# Altium PCB SI944D.PcbDoc (part 4 of 5)
Units mm, origin at the board's own origin, x right, y up, seen from the top; angles counter-clockwise.
Board outline 281.94 x 89 mm, 4 copper layers (Top, MidLayer1, MidLayer2, Bottom), stack 1.65 mm thick; 571 components, 351 nets, 1529 pads, 905 vias.
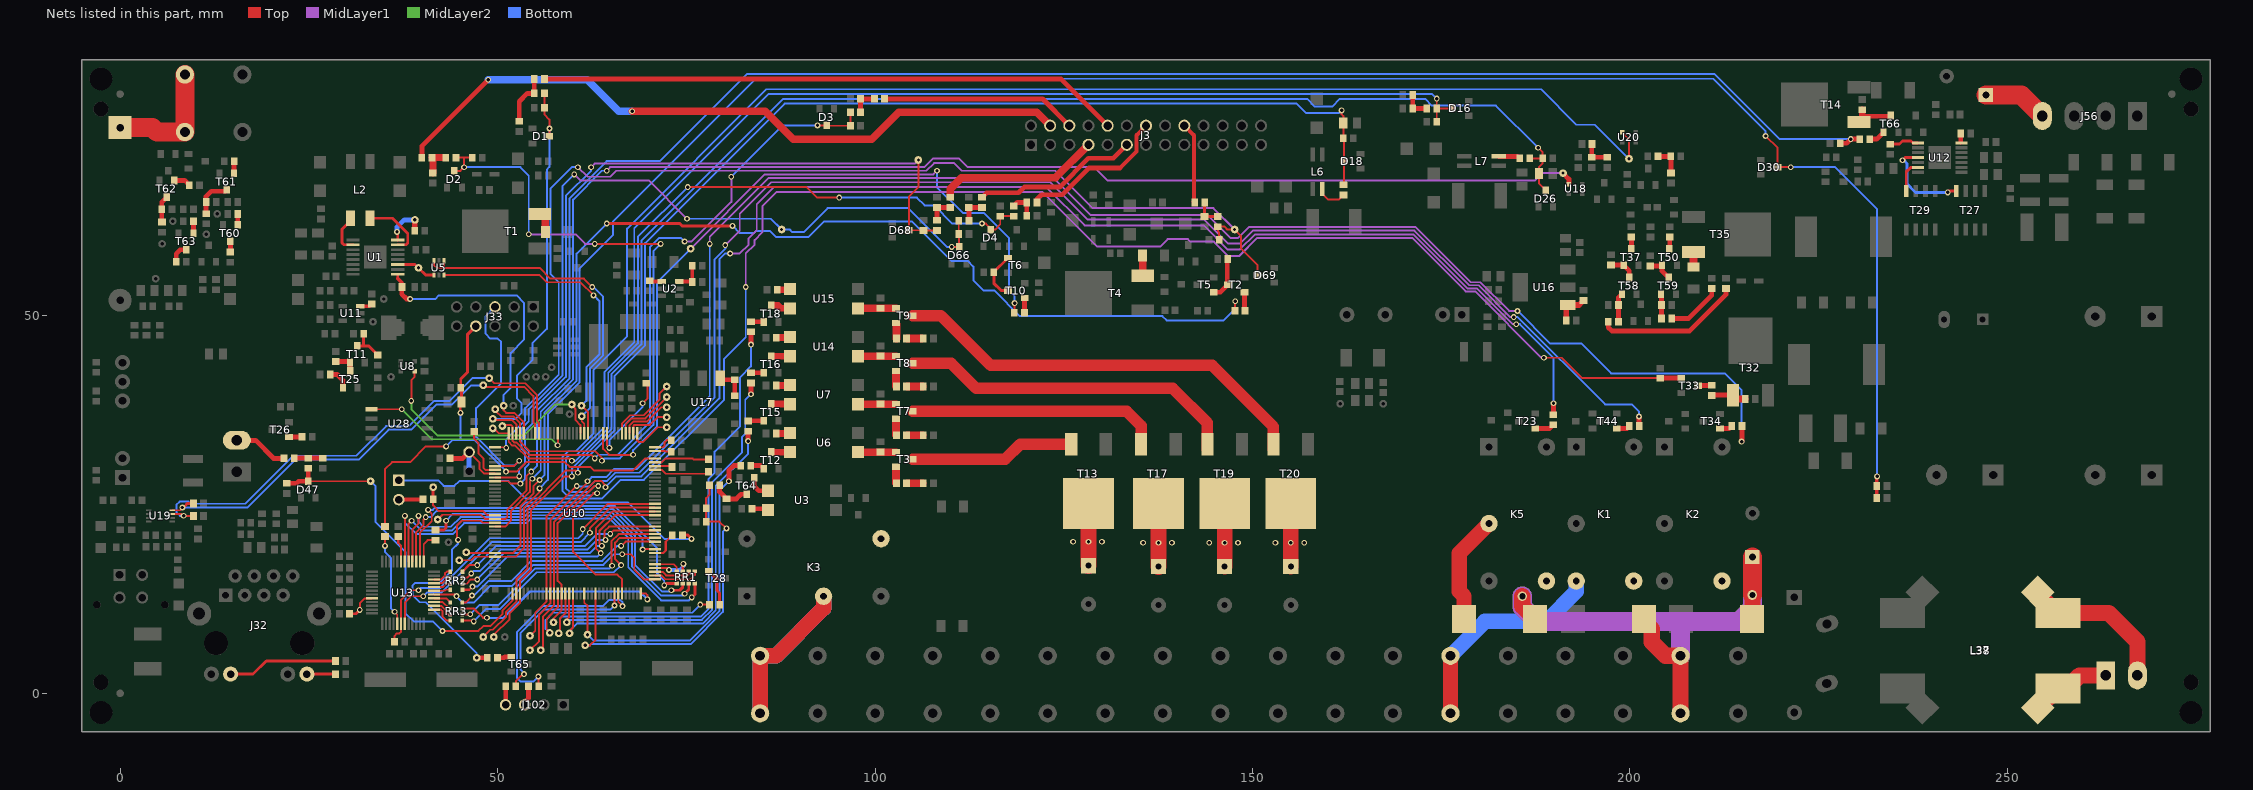
[diagram p6: the nets of this part, all layers, seen from the top]

## Via types
v1: diameter 0.77, hole 0.45, Top to Bottom, 900 vias
v2: diameter 1.27, hole 0.8, Top to Bottom, 4 vias
v3: diameter 1.016, hole 0.45, Top to Bottom, 1 vias

## Nets (pads, with @x,y where several pads share a name; then routed paths per layer and width w, separated by ;. In a path a pad name is that pad's centre, name@x,y a point inside that pad or via, vN(x,y) a via of type N, cw(c..) or ccw(c..) an arc to the next point about the centre after c; other vN are vias at no path point) (continued)
NetF4_1: F4.1 K5.11 | length 14.5
  Top w2.032: F4.1@178.021,9.842 178.021,12.859 177.386,13.494 177.386,18.557 K5.11@181.308,22.479
NetF5_1: F5.1 J56.4 | length 8.6
  Top w2.54: F5.1@247.142,79.248 251.842,79.248 J56.4@254.62,76.47
NetF6_1: F6.1 T13.A2 | length 8.2
  Top w2.159: F6.1@128.27,16.901 T13.A2@128.27,25.146
  other v1: 126.238,20.066 128.27,20.066 130.048,20.066
NetF7_1: F7.1 T17.A2 | length 8.4
  Top w2.159: F7.1@137.541,16.774 T17.A2@137.541,25.146
  other v1: 135.509,19.939 137.541,19.939 139.319,19.939
NetF8_1: F8.1 T19.A2 | length 8.4
  Top w2.032: F8.1@146.304,16.774 T19.A2@146.304,25.146
  other v1: 144.272,19.939 146.304,19.939 148.082,19.939
NetF9_1: F9.1 T20.A2 | length 8.4
  Top w2.032: F9.1@155.067,16.774 T20.A2@155.067,25.146
  other v1: 153.035,19.939 155.067,19.939 156.845,19.939
NetJ32_10: J32.10 R10.2 | length 14.6
  Top w0.381: J32.10@14.635,2.54 17.621,2.54 19.367,4.286 R10.2@28.539,4.286
NetJ32_12: J32.12 R16.2 | length 3.8
  Top w0.381: J32.12@24.745,2.54 R16.2@28.539,2.54
  Top w0.635: R16.2@28.539,2.504 R16.2@28.575,2.504
NetJ52_1: J52.1 L37.2 L38.2 | length 10.8
  Top w2.159: L37.2@254,-1.905 254.158,-1.905 L38.2@256.699,0.636 257.811,0.636 259.545,2.37 J52.1@263.02,2.37
NetJ52_2: J52.2 L37.3 L38.3 | length 20.4
  Top w2.032: L37.3@254,13.361 254,13.335 L38.3@256.699,10.636
  Top w2.159: L38.3@256.699,10.636 263.43,10.636 267.22,6.846 J52.2@267.22,2.37
NetJ54_2: J54.2 R113.1 U10.44 | length 10.5
  Top w0.254: J54.2@46.22,31.96 47.625,30.555 47.625,29.686 48.218,29.093 U10.44@49.632,29.093
  Top w0.635: R113.1@43.692,31.115 45.375,31.115 J54.2@46.22,31.96
  Bottom w0.635: 46.22,29.42 J54.2@46.22,31.96
NetJ58_1: J58.1 R125.1 T33.1 | length 213.3
  Top w0.254: v1(188.595,44.45) 190.976,44.45 193.675,41.751 203.99,41.751 203.994,41.747 R125.1@204.216,41.747
  Top w0.635: R125.1@204.216,41.747 206.794,41.747 T33.1@206.799,41.742
  MidLayer1 w0.254: v1(82.867,53.816) 82.867,58.261 84.042,59.436 84.042,60.039 85.09,61.087 85.09,64.516 86.995,66.421 122.174,66.421 129.413,59.182 137.795,59.182 138.765,60.152 141.429,60.152 141.748,59.833 144.891,59.833 146.812,57.912 148.209,57.912 150.622,60.325 171.132,60.325 178.218,53.24 179.488,53.24 188.277,44.45 v1(188.595,44.45)
  Bottom w0.254: J58.1@36.92,28.194 42.132,28.194 42.862,27.464 44.291,27.464 44.926,28.099 51.435,28.099 53.753,25.781 63.83,25.781 66.307,28.258 69.374,28.258 80.01,38.894 80.01,44.291 82.867,47.149 v1(82.867,53.816)
NetJ58_2: J58.2 R160.1 | length 3.2
  Top w0.559: J58.2@36.92,25.654 40.065,25.654 R160.1@40.128,25.717
NetJ102_3: J102.3 R109.2 | length 2.7
  Top w0.635: J102.3@53.594,-1.524 53.594,-1.139 54.098,-0.635 R109.2@54.098,0.953
NetJ102_4: J102.4 R110.2 | length 2.5
  Top w0.635: J102.4@51.054,-1.524 51.082,-1.496 R110.2@51.082,0.953
NetJT1_1: JT1.1 U10.2 | length 5.7
  Top w0.254: U10.2@68.482,34.443 68.482,33.499 68.682,33.299 69.291,33.299 71.234,35.242 JT1.1@72.39,35.242
NetJT2_1: JT2.1 U10.3 | length 5.9
  Top w0.254: U10.3@67.982,34.443 67.982,35.407 68.135,35.56 70.168,35.56 71.183,36.576 JT2.1@72.39,36.576
NetJT3_1: JT3.1 U10.4 | length 6.9
  Top w0.254: U10.4@67.482,34.443 67.482,35.478 68.026,36.022 69.836,36.022 71.711,37.897 JT3.1@72.39,37.897
NetJT4_1: JT4.1 U10.5 | length 8.1
  Top w0.254: U10.5@66.982,34.443 66.982,35.613 67.795,36.426 69.573,36.426 JT4.1@72.39,39.243
NetJT5_1: JT5.1 U10.6 | length 9.7
  Top w0.254: U10.6@66.482,34.443 66.482,35.748 67.564,36.83 69.374,36.83 71.438,38.894 71.438,39.688 JT5.1@72.39,40.64
NetJT43_1: JT43.1 U1.3 U5.4 | length 5.4
  Top w0.381: U1.3@36.784,56.81 39.075,56.81 JT43.1@39.529,56.356 40.479,55.406 U5.4@41.577,55.406
NetJT44_1: JT44.1 R22.2 U1.8 | length 6
  Top w0.381: v1(36.671,61.119) 36.784,61.006 U1.8@36.784,60.06
  Top w0.762: R22.2@39.017,61.277 39.017,62.671 JT44.1@39.052,62.706
  Bottom w0.635: v1(36.671,61.119) 36.671,61.754 37.624,62.706 JT44.1@39.052,62.706
NetL2_1: L2.1 U1.10 | length 5.3
  Top w0.381: L2.1@30.543,62.925 30.543,62.611 29.369,61.436 29.369,59.69 29.649,59.41 U1.10@30.844,59.41
NetL2_2: L2.2 U1.7 | length 8.5
  Top w0.381: L2.2@33.084,62.925 36.072,62.925 38.1,60.896 38.1,59.639 37.871,59.41 U1.7@36.784,59.41
NetL4_2: L4.2 R2.2 R4.1 | length 3.9
  Top w0.889: L4.2@41.311,70.961 L4.2@41.434,70.961 ; R2.2@41.434,68.933 L4.2@41.434,70.961 ; R4.1@43.144,70.961 L4.2@41.434,70.961
NetL5_2: L5.2 R1.2 R3.1 | length 7
  Top w0.635: R1.2@52.864,75.759 52.864,78.391 53.943,79.47 R3.1@54.86,79.47 L5.2@54.86,81.375
NetL6_2: L6.2 R25.2 | length 4
  Top w0.254: L6.2@159.258,66.802 159.258,66.167 160.02,65.405 161.453,65.405 R25.2@162.052,66.004
NetL7_2: L7.2 R29.2 | length 2.9
  Top w0.635: L7.2@182.626,71.12 185.13,71.12 R29.2@185.384,70.866
NetL9_2: L9.2 R7.2 R8.1 | length 3.6
  Top w0.635: R8.1@98.08,76.962 R7.2@98.08,78.74 L9.2@99.913,78.74
NetL23_2: L23.2 R14.2 R15.1 | length 3.7
  Top w0.635: R15.1@118.364,64.552 118.836,65.024 L23.2@120.106,65.024 R14.2@120.106,63.246
NetL26_2: L26.2 R54.2 R55.1 | length 3.6
  Top w0.635: R54.2@171.232,79.248 L26.2@171.232,77.47 R55.1@173.065,77.47
NetL33_2: L33.2 R177.2 R178.1 | length 3.9
  Top w0.635: R178.1@203.712,71.12 L33.2@205.387,71.12 205.422,71.084 R177.2@205.422,68.933
NetL42_2: L42.2 R170.2 R171.1 | length 3.8
  Top w0.635: L42.2@23.054,31.115 23.09,31.151 R171.1@24.924,31.151 R170.2@26.829,31.151
NetL43_2: L43.2 R172.2 R173.1 | length 3.5
  Top w0.635: R173.1@112.431,62.611 112.431,64.318 R172.2@112.395,64.353 L43.2@114.173,64.353
NetL44_2: L44.2 R174.2 R180.1 | length 3.5
  Top w0.635: R180.1@108.204,62.647 R174.2@108.204,64.353 L44.2@109.982,64.353
NetL45_2: L45.2 R181.2 R182.1 | length 3.7
  Top w0.381: L45.2@143.673,65.024 143.637,64.988 R181.2@143.637,63.155 R182.1@145.415,63.155
NetL46_2: L46.2 R183.2 R187.1 | length 3.9
  Top w0.635: L46.2@194.981,72.771 194.945,72.735 R187.1@194.945,70.997 R183.2@197.009,70.997 R183.2@196.973,70.961
NetR5_1: R5.1 U3.4 | length 2.2
  Top w0.635: R5.1@83.697,24.447 85.67,24.447 U3.4@85.829,24.289
NetR9_2: R9.2 T1.3 | length 3.2
  Top w1.016: T1.3@55.562,63.496 56.335,63.496 R9.2@56.335,61.119
NetR11_1: R11.1 T2.3 T5.1 | length 5.7
  Top w0.635: T5.1@144.864,53.127 145.753,53.127 T2.3@146.728,54.102 146.649,54.181 R11.1@146.649,57.531
NetR12_1: R12.1 T6.1 T10.3 | length 6.4
  Top w0.381: T10.3@117.602,53.329 T10.3@117.613,53.34 116.713,53.34 115.733,54.32 R12.1@115.733,55.753 115.733,55.787 117.604,57.658 T6.1@117.613,57.649
NetR21_2: R21.2 T10.1 | length 2.1
  Top w0.635: R21.2@119.797,50.419 119.797,52.348 T10.1@119.813,52.365 T10.1@119.888,52.29
NetR23_2: R23.2 T44.1 | length 1.8
  Top w0.635: T44.1@198.236,35.093 199.586,35.093 R23.2@199.894,35.401
NetR27_1: R27.1 R101.1 T64.3 | length 5.1
  Top w0.635: R101.1@79.411,27.559 79.411,26.67 R27.1@80.328,25.753 81.633,25.753 82.244,26.364 T64.3@83.026,26.364
NetR31_2: R31.2 U13.29 | length 12.2
  Top w0.254: v1(35.084,19.526) R31.2@35.084,20.761 ; v1(36.354,10.795) 36.715,10.434 U13.29@36.715,9.214
  Bottom w0.254: v1(35.084,19.526) 35.084,18.732 35.877,17.939 35.877,11.271 v1(36.354,10.795)
NetR32_2: R32.2 T12.1 | length 1.9
  Top w0.635: R32.2@83.538,30.162 84.857,30.162 T12.1@85.258,29.761
NetR35_1: R35.1 T3.1 U6.3 | length 5
  Top w1.016: U6.3@97.754,31.942 T3.1@102.786,31.942
NetR36_2: R36.2 T15.1 | length 1.7
  Top w0.635: R36.2@83.566,36.104 83.573,36.111 T15.1@85.258,36.111
NetR37_2: R37.2 T4.3 | length 2.7
  Top w1.016: R37.2@135.456,57.968 135.456,55.329 T4.3@135.47,55.315
NetR38_1: R38.1 R41.2 | length 2
  Top w1.016: R38.1@104.267,27.813 R41.2@106.299,27.813
NetR38_2: R38.2 T3.2 | length 2
  Top w1.016: R38.2@102.786,27.861 T3.2@102.786,29.845
NetR39_2: R39.2 T28.1 | length 5.1
  Top w0.381: T28.1@77.957,16.215 79.057,15.115 79.057,13.652 79.411,13.299 R39.2@79.411,11.747
NetR40_2: R40.2 T60.1 | length 1.4
  Top w0.635: T60.1@15.58,62.06 15.58,63.487 R40.2@15.593,63.5
NetR42_2: R42.2 T26.1 | length 1.7
  Top w0.635: T26.1@22.373,33.95 24.072,33.95 R42.2@24.094,33.972
NetR44_1: R44.1 T11.1 T25.3 | length 3.1
  Top w0.635: R44.1@28.575,43.938 30.346,43.938 T11.1@30.458,43.826 30.458,42.715 T25.3@30.48,42.693
NetR46_1: R46.1 R76.1 T11.3 | length 4.8
  Top w0.381: T11.3@31.432,46.026 32.232,46.026 ; R46.1@32.262,47.625 32.262,46.056 32.232,46.026 ; R76.1@34.131,44.803 32.908,46.026 32.232,46.026
NetR47_1: R47.1 U10.116 | length 4
  Top w0.305: U10.116@70.832,18.593 71.933,18.593 72.263,18.923 72.263,20.07 R47.1@73.148,20.955
NetR49_2: R49.2 T63.1 | length 1.4
  Top w0.635: T63.1@9.706,61.108 9.719,61.121 R49.2@9.719,62.547
NetR50_2: R50.2 U11.3 | length 1.7
  Top w0.508: U11.3@31.789,51.274 33.053,51.274 R50.2@33.337,51.558
NetR51_2: R51.2 T16.1 | length 1.7
  Top w0.635: R51.2@83.566,42.454 83.573,42.461 T16.1@85.258,42.461
NetR52_1: R52.1 T7.1 U7.3 | length 5
  Top w1.016: U7.3@97.754,38.292 T7.1@102.786,38.292
NetR57_2: R57.2 T18.1 | length 1.7
  Top w0.635: R57.2@83.566,49.22 85.23,49.22 T18.1@85.258,49.192
NetR58_1: R58.1 R60.2 | length 2
  Top w1.016: R58.1@104.267,34.163 R60.2@106.299,34.163
NetR58_2: R58.2 T7.2 | length 2
  Top w1.016: R58.2@102.786,34.211 T7.2@102.786,36.195
NetR59_2: R59.2 T23.1 | length 2.6
  Top w0.635: T23.1@187.464,35.093 189.382,35.093 R59.2@189.849,35.56
NetR62_1: R62.1 R191.1 T61.3 | length 5.4
  Top w0.635: R62.1@11.394,63.5 R191.1@11.394,65.087 11.394,65.846 12.065,66.516 13.959,66.516 T61.3@14.129,66.686
NetR63_1: R63.1 T14.1 T66.3 | length 5.6
  Top w0.635: T14.1@230.775,76.447 234.478,76.447 T66.3@234.569,76.538
  Top w0.889: T14.1@230.334,75.678 230.775,76.119 230.775,76.447 R63.1@230.775,77.307
NetR64_2: R64.2 T66.1 | length 2.2
  Top w0.635: R64.2@231.775,73.406 232.662,73.406 T66.1@233.594,74.338
NetR66_1: R66.1 R88.2 U16.1 | length 4.5
  Top w0.762: R88.2@191.543,49.371 191.543,51.208 191.726,51.391 U16.1@191.77,51.391 ; U16.1@191.77,51.435 193.234,51.435 R66.1@193.834,52.034
NetR68_2: R68.2 U12.7 | length 1.1
  Top w0.635: U12.7@243.804,73.036 R68.2@243.804,74.144
NetR69_1: R69.1 U12.8 | length 4
  Top w0.381: R69.1@234.474,72.743 235.684,72.743 236.093,73.152 237.236,73.152 237.469,72.919 U12.8@238.171,72.919
NetR71_1: R71.1 U13.7 | length 3.5
  Top w0.305: R71.1@36.83,20.792 R71.1@36.83,20.761 36.83,19.939 37.215,19.554 U13.7@37.215,17.456
NetR75_2: R75.2 U13.1 | length 4.1
  Top w0.254: U13.1@40.215,17.456 40.215,19.768 40.731,20.284 R75.2@41.783,20.284
NetR80_2: R80.2 T25.1 | length 3
  Top w0.635: R80.2@27.817,42.227 28.734,42.227 29.505,41.456 T25.1@29.505,40.492
NetR82_1: R82.1 U10.144 | length 2.8
  Top w0.254: U10.144@70.832,32.593 71.963,32.593 72.136,32.766 72.136,33.274 72.39,33.528 R82.1@72.989,33.528
NetR83_1: R83.1 U10.143 | length 2.2
  Top w0.254: U10.143@70.832,32.093 72.174,32.093 72.263,32.004 R83.1@72.989,32.004
NetR85_2: R85.2 U13.20 | length 4.3
  Top w0.254: v1(31.75,11.049) 31.75,11.938 32.397,12.585 U13.20@33.344,12.585
  Top w0.381: R85.2@30.389,10.541 31.242,10.541 v1(31.75,11.049)
NetR86_1: R86.1 T8.1 U14.3 | length 5
  Top w1.016: U14.3@97.754,44.642 T8.1@102.786,44.642
NetR87_2: R87.2 U6.1 | length 1.9
  Top w0.635: U6.1@88.688,34.417 U6.1@88.754,34.482
  Top w0.889: R87.2@86.904,34.417 U6.1@88.688,34.417
NetR89_1: R89.1 R90.2 | length 2
  Top w1.016: R89.1@104.267,40.64 R90.2@106.299,40.64
NetR89_2: R89.2 T8.2 | length 1.9
  Top w1.016: R89.2@102.786,40.688 T8.2@102.786,42.545
NetR92_1: R92.1 T9.1 U15.3 | length 5
  Top w1.016: U15.3@97.754,50.992 T9.1@102.765,50.992
NetR93_1: R93.1 R94.2 | length 1.9
  Top w1.016: R93.1@104.267,46.99 R94.2@106.172,46.99
NetR93_2: R93.2 T9.2 | length 1.9
  Top w1.016: R93.2@102.834,46.99 T9.2@102.834,48.895
NetR96_1: R96.1 U10.138 | length 7.4
  Top w0.254: U10.138@70.832,29.593 71.753,29.593 72.263,29.083 77.688,29.083 R96.1@77.942,29.337
NetR97_1: R97.1 R100.2 U17.1 | length 4.1
  Top w0.635: U17.1@79.478,41.718 79.662,41.535 R100.2@81.407,41.535 R97.1@81.407,39.406
NetR98_1: R98.1 U10.139 | length 2.3
  Top w0.254: U10.139@70.832,30.093 72.995,30.093 R98.1@73.116,29.972
NetR99_1: R99.1 U10.140 | length 7.4
  Top w0.254: U10.140@70.832,30.593 71.741,30.593 72.263,31.115 75.819,31.115 75.946,30.988 R99.1@77.942,30.988
NetR107_1: R107.1 U10.10 | length 12.8
  Top w0.254: U10.10@64.482,34.443 64.482,32.832 v1(64.809,32.505) ; v1(69.215,38.417) 69.86,39.063 69.86,40.912 R107.1@69.691,41.081
  Bottom w0.254: v1(64.809,32.505) 64.809,33.535 69.215,37.941 v1(69.215,38.417)
NetR112_2: R112.2 U10.43 | length 6.9
  Top w0.254: R112.2@46.899,34.671 46.899,33.721 47.498,33.122 47.498,31.75 48.133,31.115 48.133,29.845 48.385,29.593 U10.43@49.632,29.593
NetR115_1: R115.1 R161.2 T32.1 | length 4.7
  Top w0.635: R161.2@210.82,39.461 210.856,39.497 T32.1@213.657,39.497
  Top w0.889: T32.1@213.657,39.497 214.165,38.989 R115.1@215.265,38.989
NetR116_1: R116.1 T37.3 | length 1.6
  Top w0.635: T37.3@200.152,58.885 200.184,58.917 R116.1@200.184,60.448
NetR121_2: R121.2 U7.1 | length 1.9
  Top w0.889: R121.2@86.904,40.767 88.688,40.767 U7.1@88.754,40.832
NetR129_1: R129.1 U2.4 | length 1.6
  Top w0.508: R129.1@70.175,54.646 70.277,54.544 U2.4@71.748,54.544
NetR137_2: R137.2 U14.1 | length 1.9
  Top w0.889: R137.2@86.904,47.117 88.688,47.117 U14.1@88.754,47.182
NetR141_2: R141.2 T65.1 | length 1.9
  Top w0.635: R141.2@49.982,4.699 50.832,4.699 50.959,4.826 T65.1@51.816,4.826
NetR145_1: R145.1 R168.2 U2.3 | length 3.8
  Top w0.508: U2.3@74.048,54.544 75.717,54.544 75.783,54.61 R168.2@75.783,56.642
NetR153_2: R153.2 U15.1 | length 1.8
  Top w0.889: R153.2@87.031,53.467 88.688,53.467 U15.1@88.754,53.532
NetR161_1: R161.1 T33.3 | length 1.8
  Top w0.635: T33.3@208.999,40.767 210.784,40.767 R161.1@210.82,40.803
NetR176_2: R176.2 T34.1 | length 1.7
  Top w0.635: T34.1@211.92,35.061 213.143,35.061 R176.2@213.483,35.401
NetR179_2: R179.2 T2.1 | length 2.5
  Top w0.635: T2.1@148.928,53.127 148.928,50.752 R179.2@149.007,50.673
NetR184_1: R184.1 T37.1 T58.3 | length 3.6
  Top w0.635: R184.1@197.485,56.733 199.129,56.733 T37.1@199.177,56.685 199.898,55.964 T58.3@199.898,55.075
NetR185_1: R185.1 T50.1 T59.3 | length 3.6
  Top w0.635: R185.1@202.692,56.606 204.178,56.606 T50.1@204.257,56.685 204.257,55.923 T59.3@205.105,55.075
NetR186_1: R186.1 T35.3 | length 2
  Top w1.016: R186.1@208.407,56.441 T35.3@208.407,58.476
NetR189_1: R189.1 T50.3 | length 1.6
  Top w0.635: T50.3@205.232,58.885 205.264,58.917 R189.1@205.264,60.448
NetR190_1: R190.1 R204.2 | length 19.3
  Top w0.635: R204.2@197.132,49.212 197.132,48.454 197.58,48.006 207.899,48.006 212.725,52.832 R190.1@212.725,53.622
NetR193_2: R193.2 T61.1 | length 1.6
  Top w0.635: T61.1@15.104,68.886 15.104,70.472 R193.2@15.117,70.485
NetR194_2: R194.2 T60.3 | length 1.4
  Top w0.635: R194.2@14.605,58.456 T60.3@14.605,59.86
NetR197_1: R197.1 T63.3 | length 2.6
  Top w0.635: R197.1@7.426,57.15 7.426,58.226 7.949,58.749 T63.3@8.731,58.749
NetR198_2: R198.2 T62.1 | length 2.3
  Top w0.635: T62.1@7.166,67.934 8.548,67.934 R198.2@9.172,67.31
NetR199_2: R199.2 R201.2 T62.3 | length 3.5
  Top w0.635: R201.2@5.521,62.547 R199.2@5.521,64.135 5.521,65.063 T62.3@6.191,65.734
NetR202_1: R202.1 R205.2 | length 7.5
  Top w0.635: R205.2@205.522,49.657 207.772,49.657 210.82,52.705 R202.1@210.82,53.622
NetR204_1: R204.1 R208.2 T58.1 | length 3.8
  Top w0.635: R204.1@198.473,49.212 R208.2@198.473,51.435 198.473,52.425 T58.1@198.923,52.875
NetR205_1: R205.1 R207.2 T59.1 | length 3.2
  Top w0.635: T59.1@204.13,52.875 204.18,52.825 R207.2@204.18,51.435 R205.1@204.18,49.657
NetRR1_2: RR1.2 U10.113 | length 3.6
  Top w0.254: U10.113@70.832,17.093 73.331,17.093 73.73,16.694 RR1.2@73.73,16.167
NetRR1_4: RR1.4 U10.112 | length 5.4
  Top w0.254: U10.112@70.832,16.593 72.466,16.593 v1(72.707,16.351)
  Top w0.381: RR1.4@74.53,16.167 74.53,17.063 v1(74.612,17.145)
  Bottom w0.508: v1(72.707,16.351) 74.136,16.351 74.612,16.828 v1(74.612,17.145)
NetRR1_6: RR1.6 U10.111 | length 5.2
  Top w0.254: U10.111@70.832,16.093 71.855,16.093 72.326,15.621 75.184,15.621 75.33,15.767 RR1.6@75.33,16.167
NetRR1_8: RR1.8 U10.110 | length 6.2
  Top w0.254: U10.110@70.832,15.593 71.72,15.593 72.2,15.113 75.565,15.113 76.13,15.678 RR1.8@76.13,16.167
NetRR2_2: RR2.2 U13.43 | length 2.2
  Top w0.254: U13.43@41.586,13.585 43.002,13.585 43.133,13.716 RR2.2@43.739,13.716
NetRR2_4: RR2.4 U13.44 | length 2.3
  Top w0.254: U13.44@41.586,14.085 42.774,14.085 43.205,14.516 RR2.4@43.739,14.516
NetRR2_6: RR2.6 U13.45 | length 2.5
  Top w0.254: U13.45@41.586,14.585 42.684,14.585 43.339,15.24 43.663,15.24 RR2.6@43.739,15.316
NetRR2_8: RR2.8 U13.46 | length 2.7
  Top w0.254: U13.46@41.586,15.085 42.517,15.085 43.021,15.589 43.021,15.875 43.262,16.116 RR2.8@43.739,16.116
NetRR3_2: RR3.2 U13.38 | length 3.1
  Top w0.254: U13.38@41.586,11.085 42.477,11.085 42.723,10.84 42.723,10.141 43.218,9.646 RR3.2@43.726,9.646
NetRR3_4: RR3.4 U13.39 | length 2.8
  Top w0.254: U13.39@41.586,11.585 42.549,11.585 43.18,10.954 43.18,10.636 43.37,10.446 RR3.4@43.726,10.446
NetRR3_6: RR3.6 U13.40 | length 2.5
  Top w0.254: U13.40@41.586,12.085 42.728,12.085 43.567,11.246 RR3.6@43.726,11.246
NetRR3_8: RR3.8 U13.41 | length 2.4
  Top w0.254: U13.41@41.586,12.585 43.187,12.585 RR3.8@43.726,12.046
NetT3_3: T3.3 T13.G | length 21.8
  Top w1.524: T3.3@104.986,30.988 117.221,30.988 119.229,32.996 T13.G@125.984,32.996
NetT7_3: T7.3 T17.G | length 34.1
  Top w1.524: T7.3@104.986,37.338 133.35,37.338 135.241,35.447 T17.G@135.241,32.346
NetT8_3: T8.3 T19.G | length 45.8
  Top w1.524: T8.3@104.986,43.688 110.109,43.688 113.411,40.386 139.446,40.386 144.004,35.828 T19.G@144.004,32.346
NetT9_3: T9.3 T20.G | length 56.9
  Top w1.524: T9.3@104.986,50.038 108.712,50.038 115.316,43.434 144.653,43.434 152.767,35.32 T20.G@152.767,32.346
NetT12_3: T12.3 U6.2 | length 2.5
  Top w0.889: T12.3@86.233,31.961 86.252,31.942 U6.2@88.754,31.942
NetT15_3: T15.3 U7.2 | length 2.5
  Top w0.889: T15.3@86.233,38.311 88.735,38.311 U7.2@88.754,38.292
NetT16_3: T16.3 U14.2 | length 2.5
  Top w0.889: T16.3@86.233,44.661 88.735,44.661 U14.2@88.754,44.642
NetT18_3: T18.3 U15.2 | length 2.7
  Top w0.889: T18.3@86.233,51.392 87.154,51.392 87.553,50.992 U15.2@88.754,50.992
NetT27_4: T27.4 U12.11 | length 12.8
  Top w0.381: v1(236.093,70.612) 236.45,70.969 U12.11@238.171,70.969 ; v1(242.094,66.358) 242.26,66.524 T27.4@243.205,66.524
  Bottom w0.381: v1(236.093,70.612) 236.256,70.612 236.676,70.193 236.676,67.489 237.807,66.358 v1(242.094,66.358)
NetT29_4: T29.4 U12.13 | length 4.4
  Top w0.381: T29.4@236.601,66.524 236.601,69.088 237.182,69.669 U12.13@238.171,69.669
NetT64_1: T64.1 U3.3 | length 3.2
  Top w0.635: T64.1@84.001,28.564 84.001,27.441 84.614,26.829 U3.3@85.829,26.829
OUVERTURE_DETECT_PRESENCE_1: J3.11 L43.1 | length 22.1
  Top w0.635: L43.1@114.173,65.695 114.772,66.294 118.999,66.294 119.761,67.056 124.46,67.056 128.27,70.866 131.566,70.866 J3.11@133.35,72.65
OUVERTURE_DETECT_PRESENCE_2: J3.7 L44.1 | length 21.7
  Top w1.016: L44.1@109.982,65.786 109.982,66.802 111.455,68.275 123.895,68.275 J3.7@128.27,72.65
OUVERTURE_SIRENE_EXT: J3.14 L23.1 | length 20.2
  Top w0.535: 132.461,69.596 134.62,71.755 134.62,73.92 J3.14@135.89,75.19
  Top w0.635: L23.1@121.448,65.024 121.448,65.441 122.047,66.04 124.79,66.04 128.346,69.596 132.461,69.596
OUVERTURE_SIRENE_INT: J3.18 L45.1 | length 10.7
  Top w0.535: J3.18@140.97,75.19 142.24,73.92 L45.1@142.24,65.115
  Top w0.635: L45.1@142.24,65.115 L45.1@142.331,65.024
OUVERTURE_TABLEAU_DOMOTIQUE: J53.2 L42.1 | length 7.2
  Top w0.635: J53.2@15.47,33.52 15.494,33.496 17.939,33.496 20.32,31.115 L42.1@21.713,31.115
PH_ALIM: F1.2 F2.2 F3.1 F4.2 J50.1 J50.2 | length 107.1
  Top w2.159: v2(185.737,12.859) 185.737,11.526 F4.2@187.421,9.842 ; F1.2@201.868,9.525 202.882,8.51 202.882,6.791 204.704,4.97 J50.2@206.7,4.97 J50.1@206.7,-2.65 ; F2.2@216.218,9.587 v2(216.218,13.018)
  Top w2.54: F2.2@216.155,9.525 F2.2@216.218,9.587 ; v2(216.218,13.018) F3.1@216.218,18.055
  MidLayer1 w2.54: v2(185.737,12.859) 185.737,11.43 187.642,9.525 206.692,9.525 ; J50.2@206.7,4.97 206.7,9.517 206.692,9.525 ; v2(216.218,13.018) 216.218,11.271 214.471,9.525 206.692,9.525
  MidLayer2 w2.54: v2(185.737,12.859) 185.737,11.43 187.642,9.525 206.692,9.525 ; J50.2@206.7,4.97 206.7,9.517 206.692,9.525 ; v2(216.218,13.018) 216.218,11.271 214.471,9.525 206.692,9.525
PH_ALIM_NC1: K5.12
PH_ALIM_NC2: K2.12
PH_ALIM_NC3: K1.12
PH_EV: J34.1 J34.2 K3.11 | length 80.9
  Top w2.032: J34.1@84.78,-2.65 J34.2@84.78,4.97 86.885,4.97 93.186,11.271 K3.11@93.186,12.859
  MidLayer1 w2.032: J34.1@84.78,-2.65 J34.2@84.78,4.97 86.885,4.97 93.186,11.271 K3.11@93.186,12.859
  MidLayer2 w2.032: J34.1@84.78,-2.65 J34.2@84.78,4.97 86.885,4.97 93.186,11.271 K3.11@93.186,12.859
  Bottom w2.032: J34.1@84.78,-2.65 J34.2@84.78,4.97 86.885,4.97 93.186,11.271 K3.11@93.186,12.859
PH_EV_NC: K3.12
PS_K1: J46.1 J46.2 K1.14 | length 29.2
  Top w2.032: J46.1@176.22,-2.65 J46.2@176.22,4.97
  Bottom w2.032: J46.2@176.22,4.97 180.775,9.525 188.912,9.525 192.873,13.486 K1.14@192.873,14.859
SIGNAL_DETECT_OUVERTURE_MAISON: J3.4 L4.1 | length 93.9
  Top w0.635: L4.1@39.969,70.961 39.969,72.481 v1(48.768,81.28)
  Top w1.016: v1(67.818,77.089) 85.471,77.089 89.154,73.406 99.568,73.406 103.124,76.962 121.418,76.962 J3.4@123.19,75.19
  Bottom w1.016: v1(48.768,81.28) 61.849,81.28 66.04,77.089 v1(67.818,77.089)
SIGNAL_DETECT_PRESENCE_1: J3.10 L5.1 | length 77.2
  Top w0.635: L5.1@56.201,81.375 124.625,81.375 J3.10@130.81,75.19